# Altium PCB 越野组一体板.PcbDoc
Units mil, origin at the board's own origin, x right, y up, seen from the top; angles counter-clockwise.
Board outline 6000 x 4000 mil, 2 copper layers (Top Layer, Bottom Layer); 131 components, 158 nets, 517 pads, 95 vias.
Unrouted connection lines stored in the file: 177.
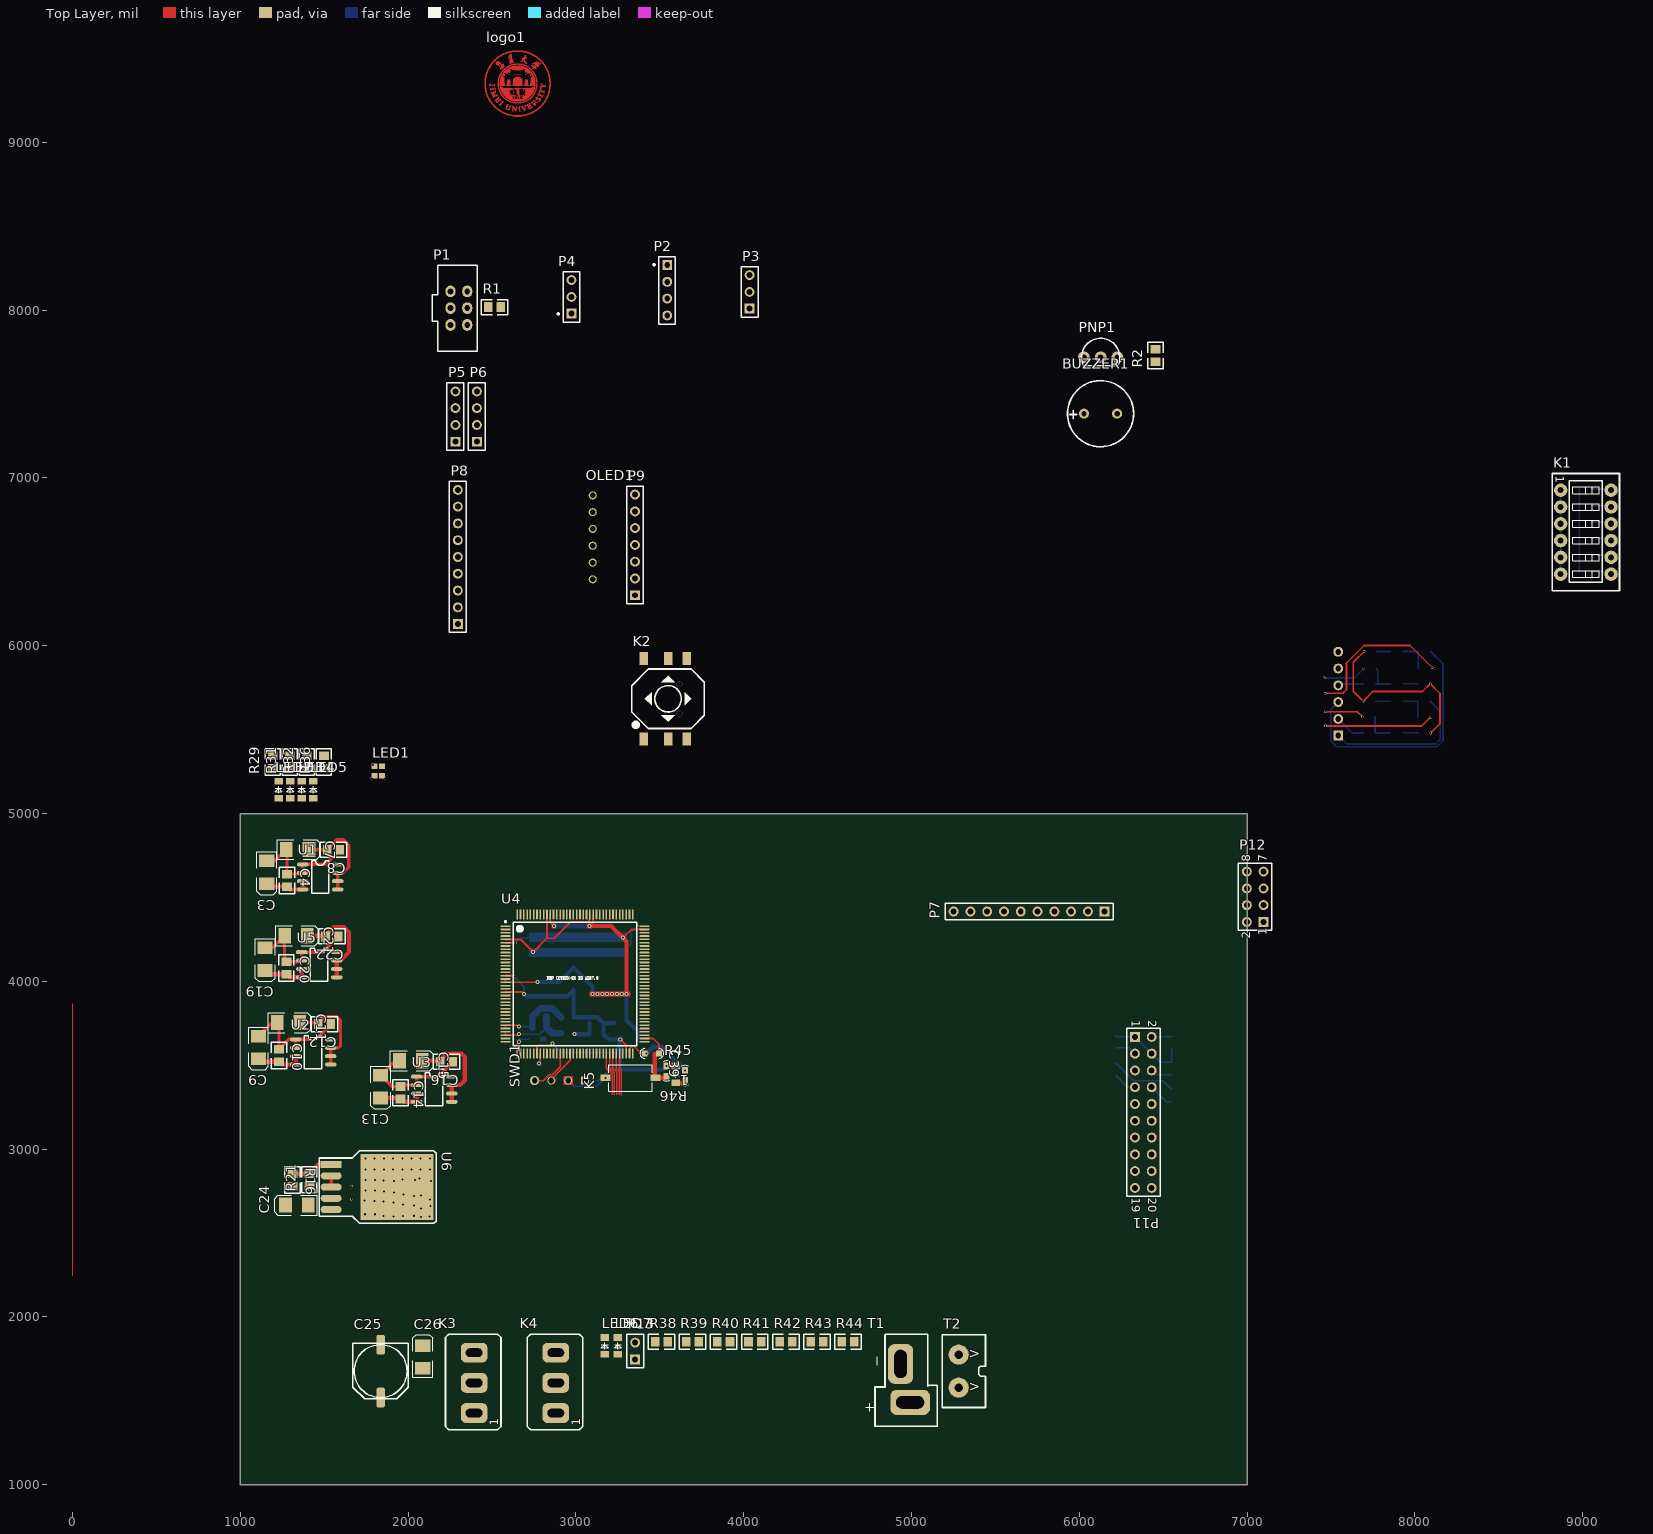
[diagram p0: Top Layer view]
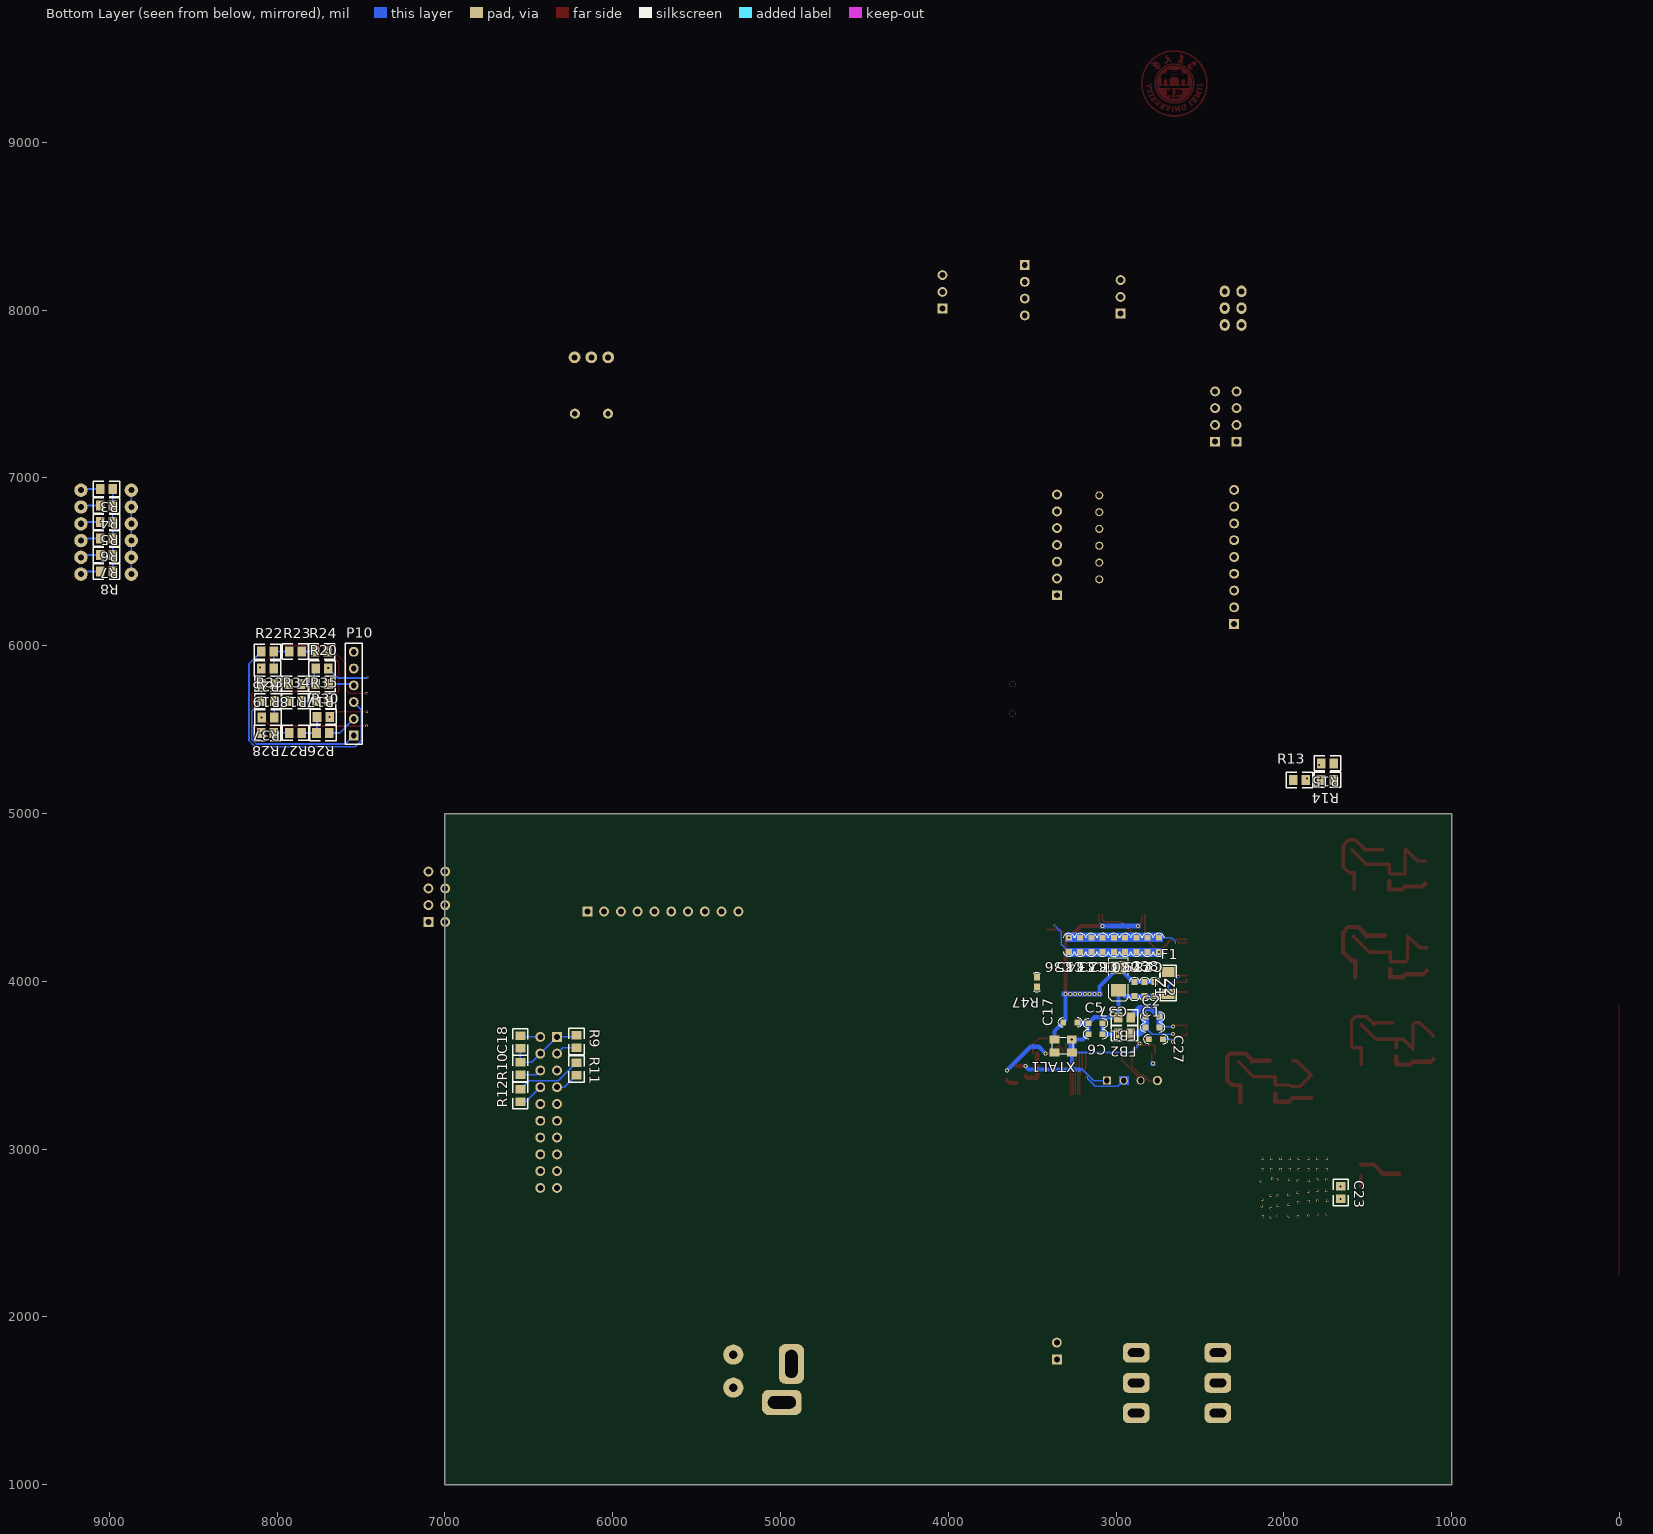
[diagram p1: Bottom Layer view, seen from below]

## Layer stack, top to bottom
Top Layer: signal copper 1.4
Dielectric: dielectric 12.6, FR-4, Dk 4.8
Bottom Layer: signal copper 1.4

## Board outline
1000,1000 7000,1000 7000,5000 1000,5000

## Design rules (kind name [scope] priority, off if disabled: settings)
Clearance poly [InPolygon] p1: gap=20
Clearance [All] p2: gap=6
PolygonConnect [All] p1: connectstyle=Relief reliefconductorwidth=10 reliefentries=4 polygonreliefangle="90 Angle"
RoutingVias [All] p1: holewidth=28 width=50 viastyle="Through Hole" minholewidth=8 minwidth=20 maxholewidth=60 maxwidth=200
SilkscreenOverComponentPads [All] p1: minsilkscreentomaskgap=10
SolderMaskExpansion [All] p1: expansion=4
Width inpoly [InPolygon] p1: maxlimit=10 minlimit=1 preferedwidth=5
Width cam [InNetClass('cam')] p2: maxlimit=10 minlimit=10 preferedwidth=10
Width PWR [InNetClass('PWR')] p3: maxlimit=120 minlimit=20 preferedwidth=30
Width [All] p4: maxlimit=50 minlimit=6 preferedwidth=24
27 further rules are at their usual default settings.

## Components (designator, comment, footprint, x,y, rotation, side; value= is the part's Value field where it differs from the comment)
1 "LED" 0805LED1 3595,3445 r270 top
BUZZER1 "*" Buzzer 6126.57,7383 r0 top
C1 "104" 0805-0C 2825,3725 r180 bottom
C2 "103" 0805-0C 2825,3790 r180 bottom
C3 "pol cap" "pol cap(10uF)" 1157,4650 r270 top
C4 "" 0805 1278,4602 r270 top
C5 "103" 0805-0C 3165,3750 r180 bottom
C6 "104" 0805-0C 3080,3685 r0 bottom
C7 "pol cap" "pol cap(10uF)" 1341.5,4786 r0 top
C8 "Cap" 0805 1554.4,4784 r180 top
C9 "pol cap" "pol cap(10uF)" 1108,3605.5 r270 top
C10 "" 0805 1230,3558 r270 top
C11 "pol cap" "pol cap(10uF)" 1287.5,3754 r0 top
C12 "Cap" 0805 1502.4,3745 r180 top
C13 "pol cap" "pol cap(10uF)" 1836,3372.5 r270 top
C14 "" 0805 1954,3336 r270 top
C15 "pol cap" "pol cap(10uF)" 2016,3527 r0 top
C16 "Cap" 0805 2229.6,3521 r180 top
C17 "104" 0805-0C 3230,3755 r0 bottom
C18 "" 0805 6550,3638.4 r90 bottom
C19 "pol cap" "pol cap(10uF)" 1148,4132 r270 top
C20 "" 0805 1274,4079.4 r270 top
C21 "pol cap" "pol cap(10uF)" 1331,4272 r0 top
C22 "Cap" 0805 1545,4268 r180 top
C23 "" 0805 1661,2741 r270 bottom
C24 "pol cap" "pol cap(10uF)" 1336.5,2666 r180 top
C25 "470UF" ED8 1836,1677 r90 top
C26 "1UF" "pol cap(10uF)" 2087.3,1762 r90 top
C27 "104" 0805-0C 2805,3655 r180 bottom
C28 "104" 0805-0C 2745,4260 r270 bottom
C29 "104" 0805-0C 2812,4260 r270 bottom
C30 "104" 0805-0C 2879,4260 r270 bottom
C31 "104" 0805-0C 2946,4260 r270 bottom
C32 "104" 0805-0C 3013,4260 r270 bottom
C33 "104" 0805-0C 3080,4260 r270 bottom
C34 "104" 0805-0C 3147,4260 r270 bottom
C35 "104" 0805-0C 3214,4260 r270 bottom
C36 "104" 0805-0C 3281,4260 r270 bottom
C37 "22f" 3528-B-TA 2985,4015 r270 bottom
C38 "104" 0805-0C 2890,3911.63 r90 bottom
C39 "106" 0805-0C 3410,3570 r0 top
F1 "Fuse(300ma)" 1206R 2688,3930.55 r90 bottom
FB1 "100MHz/0R" 0805 2950,3785 r0 bottom
FB2 "100MHz/0R" 0805 2950,3690 r0 bottom
K1 "*" 拨码开关*6 9018.8,6677 r0 top
K2 "*" 摇杆开关 3778,5448.84 r90 top
K3 "KEY" 钮子开关（大） 2392.91,1607 r90 top
K4 "KEY" 钮子开关（大） 2879.84,1607 r90 top
K5 "RESET" SW_PB2_A1 3325,3425 r180 top
LED1 "RLed" Rled 1845,5226 r90 top
LED2 "LED" LED(0805) 1228,5142 r90 top
LED3 "LED" LED(0805) 1297,5142 r90 top
LED4 "LED" LED(0805) 1366,5142 r90 top
LED5 "LED" LED(0805) 1435,5142 r90 top
LED6 "LED" LED(0805) 3172.17,1827 r90 top
LED7 "LED" LED(0805) 3250.17,1827 r90 top
logo1 "LOGO(JMU)" JMU_logo（1） 2653,9352 r0 top
OLED1 "OLED" S0P6 3100.03,6396 r90 top
P1 "*" 编码器 2252.22,8112 r0 top
P2 "BlueTooth" 插针——4 3588,7932 r90 top
P3 "电机" HDR1X3 4035,8009 r90 top
P4 "Pin-3" HDR_1X3 2973,7979 r90 top
P5 "激光1" HDR1X4 2281.51,7216 r90 top
P6 "激光2" HDR1X4 2409.39,7216 r90 top
P7 "多余IO" HDR1X10 6151,4416 r180 top
P8 "AD" HDR1X9 2295.97,6129 r90 top
P9 "TFT" HDR1X7 3351.84,6301 r90 top
P10 "遥控" HDR1X6 7543,5464 r90 bottom
P11 "CSI" HDR2X10 6331.35,3669 r270 top
P12 "Header 4X2" HDR2X4 7098,4354 r90 top
P13 "Header 2" HDR1X2 3353.11,1747 r90 top
PNP1 "PNP" PNP 6127,7719 r0 top
R1 "10k" 0805 2515.6,8018 r0 top
R2 "1K" 0805 6454,7730.6 r90 top
R3 "10K" 0805 9016.6,6934 r0 bottom
R4 "10K" 0805 9016.6,6835.8 r0 bottom
R5 "10K" 0805 9016.6,6737.6 r0 bottom
R6 "10K" 0805 9016.6,6639.4 r0 bottom
R7 "10K" 0805 9016.6,6541.2 r0 bottom
R8 "10K" 0805 9016.6,6443 r0 bottom
R9 "150" 0805 6216,3641 r270 bottom
R10 "150" 0805 6550,3481 r90 bottom
R11 "4.7K" 0805 6216,3478.6 r270 bottom
R12 "4.7K" 0805 6550,3319.4 r90 bottom
R13 "1K" 0805 1906.4,5200 r180 bottom
R14 "1K" 0805 1741,5201 r0 bottom
R15 "1K" 0805 1740.4,5299 r0 bottom
R16 "3.9K" 0805 1311,2816 r270 top
R17 "1K" 0805 7731,5772 r0 bottom
R18 "1K" 0805 7893.6,5773 r0 bottom
R19 "1K" 0805 8054,5773 r0 bottom
R20 "1K" 0805 7731.4,5864 r180 bottom
R21 "1K" 0805 1411,2817.6 r90 top
R22 "1K" 0805 8056.6,5965 r180 bottom
R23 "1K" 0805 7891,5966 r180 bottom
R24 "1K" 0805 7734.6,5966 r180 bottom
R25 "1K" 0805 8057,5864 r0 bottom
R26 "1K" 0805 7727.4,5480 r0 bottom
R27 "1K" 0805 7890.6,5481 r0 bottom
R28 "1K" 0805 8056,5480 r0 bottom
R29 "4.7K" 0805 1193,5307 r90 top
R30 "1K" 0805 7724.6,5576 r180 bottom
R31 "1K" 0805 1294.43,5307 r90 top
R32 "4.7K" 0805 1395.85,5307 r90 top
R33 "1K" 0805 8053.4,5670 r180 bottom
R34 "1K" 0805 7892.6,5670 r180 bottom
R35 "1K" 0805 7728.6,5670 r180 bottom
R36 "4.7K" 0805 1497.28,5307 r90 top
R37 "1K" 0805 8054,5572 r0 bottom
R38 "5K" 0805 3509.72,1852 r0 top
R39 "4.7K" 0805 3695.08,1852 r0 top
R40 "5K" 0805 3880.43,1852 r0 top
R41 "1K" 0805 4065.78,1852 r0 top
R42 "0R" 0805 4251.14,1852 r0 top
R43 "0R" 0805 4436.49,1852 r0 top
R44 "1K" 0805 4621.85,1852 r0 top
R45 "4.7K" 0603-r 3540,3465 r90 top
R46 "1K" 0603-r 3650,3440 r270 top
R47 "0" 0603-r 3472,3996 r270 bottom
SWD1 "SWD-1" S0P4 3054.39,3409 r180 top
T1 "*" T型接头 4941.49,1587 r90 top
T2 "*" 接线端子 5281.02,1677 r90 top
U1 "TPS7350" SOIC-8 1476,4622 r0 top
U2 "TPS7333" SOIC-8 1434,3579 r0 top
U3 "TPS7333" SOIC-8 2155.33,3357 r0 top
U4 "K60P144" LQFP144 2580,4329.06 r0 top
U5 "TPS7350" SOIC-8 1470,4099 r0 top
U6 "U1" LM2941 1737,2774 r270 top
XTAL1 "50M" XTAL-3225 3315,3615 r270 bottom
Z1 "Zener" 0805-0C 2830,3996.63 r270 bottom
Z2 "稳压二极管" 0805-0C 2770,3996.63 r270 bottom

## Footprints (in the part's own frame and the unit in brackets; to place one, negate y for a bottom-side part, rotate by r counter-clockwise, add the part's x,y. Pads: shape width x height; smd on the part's side, far side on the other; paste and mask are expansions set on the pad)
0603-r [mil]
  rect 40x35 smd: 1(-30,0) 2(30,0)
  silkscreen extent -59,-20 61,20, body extent -33,-16 33,16, height 22
0805 [mm]
  rect 1.3x1.5 smd: 1(-0.95,0) 2(0.95,0)
  silkscreen extent -2,-1.15 2,1.15, body extent -1,-0.63 1,0.63, height 0.55
0805-0C [mil]
  rect 35x35 smd: 1(0,0) 2(85,0)
  silkscreen extent -28,-30 113,30, body extent 3,-25 82,25, height 30
0805LED1 [mil]
  rect 40x50 smd: 1(-50,0) 2(50,0)
  silkscreen extent -20,-20 20,20, body extent -37,-24 43,25, height 43
1206R [mil]
  rect 59.06x75 smd: 1(-6,2) 2(124,2)
  silkscreen extent -46,-46 166,50, body extent -8,-32 124,36, height 33
3528-B-TA [mil]
  rect 75x90 smd: 1(67.5,0) 2(-67.5,0)
  silkscreen extent -121,-59 132,59, body extent -69,-55 69,55, height 75
Buzzer [mil]
  round 60 hole 32 mask+0: 1(-98.43,0) 2(98.43,0)
  silkscreen extent -197,-197 197,197, body extent -240,-236 233,236, height 354
ED8 [mm]
  rrect50% 3x1.3 smd: 1(-4,0) 2(4,0)
  silkscreen extent -4.2,-4.2 4.2,4.2, body extent -4.52,-4.22 4.48,4.08, height 10.5
HDR1X2 [mm] "Connecto"
  rect 1.5x1.5 hole 0.9: 1(0,0)
  round 1.5 hole 0.9: 2(2.54,0)
  silkscreen extent -1.27,-1.27 3.81,1.27
HDR1X3 [mm] "Connecto"
  rect 1.5x1.5 hole 0.9: 1(0,0)
  round 1.5 hole 0.9: 2(2.54,0) 3(5.08,0)
  silkscreen extent -1.27,-1.27 6.35,1.27
HDR1X4 [mm] "Connecto"
  rect 1.5x1.5 hole 0.9: 1(0,0)
  round 1.5 hole 0.9: 2(2.54,0) 3(5.08,0) 4(7.62,0)
  silkscreen extent -1.27,-1.27 8.89,1.27
HDR1X6 [mm] "Connecto"
  rect 1.5x1.5 hole 0.9: 1(0,0)
  round 1.5 hole 0.9: 2(2.54,0) 3(5.08,0) 4(7.62,0) 5(10.16,0) 6(12.7,0)
  silkscreen extent -1.27,-1.27 13.97,1.27
HDR1X7 [mm] "Connecto"
  rect 1.5x1.5 hole 0.9: 1(0,0)
  round 1.5 hole 0.9: 2(2.54,0) 3(5.08,0) 4(7.62,0) 5(10.16,0) 6(12.7,0) 7(15.24,0)
  silkscreen extent -1.27,-1.27 16.51,1.27
HDR1X9 [mm] "Connecto"
  rect 1.5x1.5 hole 0.9: 1(0,0)
  round 1.5 hole 0.9: 2(2.54,0) 3(5.08,0) 4(7.62,0) 5(10.16,0) 6(12.7,0) 7(15.24,0) 8(17.78,0) 9(20.32,0)
  silkscreen extent -1.27,-1.27 21.59,1.27
HDR1X10 [mm] "Connector;"
  rect 1.5x1.5 hole 0.9: 1(0,0)
  round 1.5 hole 0.9: 2(2.54,0) 3(5.08,0) 4(7.62,0) 5(10.16,0) 6(12.7,0) 7(15.24,0) 8(17.78,0) 9(20.32,0) 10(22.86,0)
  silkscreen extent -1.27,-1.27 24.13,1.27
HDR2X4 [mm] "Connector;"
  rect 1.5x1.5 hole 0.9: 1(0,0)
  round 1.5 hole 0.9: 2(0,2.54) 3(2.54,0) 4(2.54,2.54) 5(5.08,0) 6(5.08,2.54) 7(7.62,0) 8(7.62,2.54)
  silkscreen extent -1.27,-1.27 8.89,3.81
HDR2X10 [mm] "Connector; H"
  rect 1.5x1.5 hole 0.9: 1(0,0)
  round 1.5 hole 0.9: 2(0,2.54) 3(2.54,0) 4(2.54,2.54) 5(5.08,0) 6(5.08,2.54) 7(7.62,0) 8(7.62,2.54) 9(10.16,0) 10(10.16,2.54) 11(12.7,0) 12(12.7,2.54) 13(15.24,0) 14(15.24,2.54) 15(17.78,0) 16(17.78,2.54) 17(20.32,0) 18(20.32,2.54) 19(22.86,0) 20(22.86,2.54)
  silkscreen extent -1.27,-1.27 24.13,3.81
HDR_1X3 [mm]
  rect 1.5x1.5 hole 0.9: 1(0,0)
  round 1.5 hole 0.9: 2(2.54,0) 3(5.08,0)
  silkscreen extent -1.27,-1.27 6.35,2.14, body extent -1.27,-1.27 6.35,1.27, height 8.54
JMU_logo（1） [mil]
  Top Layer region: 16.8,-52.9 15.8,-52.9 15.8,-51.9 16.8,-51.9
  Top Layer region: 35.8,-46.9 34.8,-46.9 34.8,-47.9 32.8,-47.9 32.8,-44.9 35.8,-44.9
  Top Layer region: -34.2,-65.9 -35.2,-65.9 -35.2,-66.9 -38.2,-66.9 -38.2,-64.9 -36.2,-64.9 -36.2,-63.9 -34.2,-63.9
  Top Layer region: -24.2,-52.9 -23.2,-52.9 -23.2,-53.9 -22.2,-53.9 -22.2,-54.9 -23.2,-54.9 -23.2,-55.9 -24.2,-55.9 -24.2,-56.9 -25.2,-56.9 -25.2,-51.9 -24.2,-51.9
  Top Layer region: -21.2,-62.9 -22.2,-62.9 -22.2,-63.9 -23.2,-63.9 -23.2,-64.9 -25.2,-64.9 -25.2,-63.9 -26.2,-63.9 -26.2,-61.9 -23.2,-61.9 -23.2,-60.9 -21.2,-60.9
  Top Layer region: -95.2,90.1 -93.2,90.1 -93.2,85.1 -94.2,85.1 -94.2,84.1 -96.2,84.1 -96.2,85.1 -97.2,85.1 -97.2,86.1 -98.2,86.1 -98.2,91.1 -95.2,91.1
  Top Layer region: -81.2,102.1 -80.2,102.1 -80.2,101.1 -81.2,101.1 -81.2,99.1 -82.2,99.1 -82.2,98.1 -84.2,98.1 -84.2,97.1 -85.2,97.1 -85.2,96.1 -87.2,96.1 -87.2,97.1 -86.2,97.1 -86.2,99.1 -87.2,99.1 -87.2,98.1 -89.2,98.1 -89.2,100.1 -88.2,100.1 -88.2,101.1 -87.2,101.1 -87.2,102.1 -86.2,102.1 -86.2,103.1 -84.2,103.1 -84.2,104.1 -81.2,104.1
  Top Layer region: -32.2,130.1 -29.2,130.1 -29.2,129.1 -26.2,129.1 -26.2,128.1 -24.2,128.1 -24.2,127.1 -23.2,127.1 -23.2,124.1 -24.2,124.1 -24.2,123.1 -28.2,123.1 -28.2,124.1 -29.2,124.1 -29.2,126.1 -31.2,126.1 -31.2,127.1 -33.2,127.1 -33.2,128.1 -34.2,128.1 -34.2,130.1 -33.2,130.1 -33.2,131.1 -32.2,131.1
  Top Layer region: 113.8,129.1 114.8,129.1 114.8,127.1 113.8,127.1 113.8,126.1 112.8,126.1 112.8,125.1 111.8,125.1 111.8,123.1 110.8,123.1 110.8,122.1 109.8,122.1 109.8,121.1 107.8,121.1 107.8,120.1 105.8,120.1 105.8,121.1 104.8,121.1 104.8,124.1 105.8,124.1 105.8,126.1 106.8,126.1 106.8,127.1 107.8,127.1 107.8,128.1 108.8,128.1 108.8,129.1 109.8,129.1 109.8,131.1 113.8,131.1
  Top Layer region: 15.8,-140.9 12.8,-140.9 12.8,-141.9 11.8,-141.9 11.8,-149.9 12.8,-149.9 12.8,-163.9 13.8,-163.9 13.8,-165.9 17.8,-165.9 17.8,-166.9 16.8,-166.9 16.8,-167.9 3.8,-167.9 3.8,-166.9 4.8,-166.9 4.8,-165.9 7.8,-165.9 7.8,-155.9 6.8,-155.9 6.8,-141.9 4.8,-141.9 4.8,-140.9 2.8,-140.9 2.8,-138.9 15.8,-138.9
  Top Layer region: -92.2,-104.9 -91.2,-104.9 -91.2,-105.9 -90.2,-105.9 -90.2,-106.9 -89.2,-106.9 -89.2,-107.9 -88.2,-107.9 -88.2,-108.9 -86.2,-108.9 -86.2,-109.9 -85.2,-109.9 -85.2,-110.9 -84.2,-110.9 -84.2,-111.9 -83.2,-111.9 -83.2,-113.9 -85.2,-113.9 -85.2,-112.9 -88.2,-112.9 -88.2,-113.9 -89.2,-113.9 -89.2,-114.9 -90.2,-114.9 -90.2,-115.9 -91.2,-115.9 -91.2,-116.9 -92.2,-116.9 -92.2,-118.9 -93.2,-118.9 -93.2,-119.9 -94.2,-119.9 -94.2,-120.9 -95.2,-120.9 -95.2,-121.9 -96.2,-121.9 -96.2,-122.9 -97.2,-122.9 -97.2,-124.9 -98.2,-124.9 -98.2,-125.9 -99.2,-125.9 -99.2,-126.9 -100.2,-126.9 -100.2,-127.9 -101.2,-127.9 -101.2,-129.9 -102.2,-129.9 -102.2,-131.9 -101.2,-131.9 -101.2,-132.9 -100.2,-132.9 -100.2,-133.9 -101.2,-133.9 -101.2,-134.9 -102.2,-134.9 -102.2,-133.9 -103.2,-133.9 -103.2,-132.9 -104.2,-132.9 -104.2,-131.9 -105.2,-131.9 -105.2,-130.9 -107.2,-130.9 -107.2,-129.9 -108.2,-129.9 -108.2,-128.9 -109.2,-128.9 -109.2,-127.9 -110.2,-127.9 -110.2,-126.9 -111.2,-126.9 -111.2,-125.9 -108.2,-125.9 -108.2,-126.9 -106.2,-126.9 -106.2,-125.9 -105.2,-125.9 -105.2,-124.9 -104.2,-124.9 -104.2,-123.9 -103.2,-123.9 -103.2,-121.9 -102.2,-121.9 -102.2,-120.9 -101.2,-120.9 -101.2,-119.9 -100.2,-119.9 -100.2,-118.9 -99.2,-118.9 -99.2,-116.9 -98.2,-116.9 -98.2,-115.9 -97.2,-115.9 -97.2,-114.9 -96.2,-114.9 -96.2,-113.9 -95.2,-113.9 -95.2,-112.9 -94.2,-112.9 -94.2,-110.9 -93.2,-110.9 -93.2,-109.9 -92.2,-109.9 -92.2,-106.9 -93.2,-106.9 -93.2,-105.9 -94.2,-105.9 -94.2,-104.9 -93.2,-104.9 -93.2,-103.9 -92.2,-103.9
  Top Layer region: -136.2,-28.9 -135.2,-28.9 -135.2,-33.9 -134.2,-33.9 -134.2,-37.9 -136.2,-37.9 -136.2,-35.9 -137.2,-35.9 -137.2,-34.9 -142.2,-34.9 -142.2,-35.9 -147.2,-35.9 -147.2,-36.9 -152.2,-36.9 -152.2,-37.9 -157.2,-37.9 -157.2,-38.9 -160.2,-38.9 -160.2,-39.9 -161.2,-39.9 -161.2,-43.9 -162.2,-43.9 -162.2,-42.9 -163.2,-42.9 -163.2,-37.9 -164.2,-37.9 -164.2,-32.9 -165.2,-32.9 -165.2,-30.9 -164.2,-30.9 -164.2,-29.9 -163.2,-29.9 -163.2,-31.9 -162.2,-31.9 -162.2,-32.9 -161.2,-32.9 -161.2,-33.9 -160.2,-33.9 -160.2,-32.9 -154.2,-32.9 -154.2,-31.9 -150.2,-31.9 -150.2,-30.9 -144.2,-30.9 -144.2,-29.9 -140.2,-29.9 -140.2,-28.9 -138.2,-28.9 -138.2,-24.9 -136.2,-24.9
  Top Layer region: 125.8,-59.9 126.8,-59.9 126.8,-60.9 125.8,-60.9 125.8,-63.9 126.8,-63.9 126.8,-64.9 128.8,-64.9 128.8,-65.9 130.8,-65.9 130.8,-66.9 132.8,-66.9 132.8,-67.9 134.8,-67.9 134.8,-68.9 136.8,-68.9 136.8,-69.9 138.8,-69.9 138.8,-70.9 140.8,-70.9 140.8,-71.9 142.8,-71.9 142.8,-72.9 144.8,-72.9 144.8,-73.9 147.8,-73.9 147.8,-72.9 148.8,-72.9 148.8,-71.9 150.8,-71.9 150.8,-72.9 149.8,-72.9 149.8,-74.9 148.8,-74.9 148.8,-77.9 147.8,-77.9 147.8,-79.9 146.8,-79.9 146.8,-81.9 145.8,-81.9 145.8,-83.9 143.8,-83.9 143.8,-78.9 142.8,-78.9 142.8,-77.9 140.8,-77.9 140.8,-76.9 137.8,-76.9 137.8,-75.9 136.8,-75.9 136.8,-74.9 134.8,-74.9 134.8,-73.9 132.8,-73.9 132.8,-72.9 130.8,-72.9 130.8,-71.9 128.8,-71.9 128.8,-70.9 126.8,-70.9 126.8,-69.9 124.8,-69.9 124.8,-68.9 122.8,-68.9 122.8,-69.9 121.8,-69.9 121.8,-70.9 120.8,-70.9 120.8,-71.9 119.8,-71.9 119.8,-70.9 118.8,-70.9 118.8,-69.9 119.8,-69.9 119.8,-67.9 120.8,-67.9 120.8,-65.9 121.8,-65.9 121.8,-63.9 122.8,-63.9 122.8,-61.9 123.8,-61.9 123.8,-59.9 124.8,-59.9 124.8,-58.9 125.8,-58.9
  Top Layer region: -162.2,-4.9 -161.2,-4.9 -161.2,-6.9 -162.2,-6.9 -162.2,-7.9 -163.2,-7.9 -163.2,-8.9 -165.2,-8.9 -165.2,-10.9 -154.2,-10.9 -154.2,-9.9 -142.2,-9.9 -142.2,-8.9 -140.2,-8.9 -140.2,-4.9 -138.2,-4.9 -138.2,-11.9 -137.2,-11.9 -137.2,-17.9 -138.2,-17.9 -138.2,-18.9 -139.2,-18.9 -139.2,-15.9 -140.2,-15.9 -140.2,-14.9 -150.2,-14.9 -150.2,-15.9 -164.2,-15.9 -164.2,-14.9 -165.2,-14.9 -165.2,-13.9 -166.2,-13.9 -166.2,-12.9 -167.2,-12.9 -167.2,-10.9 -168.2,-10.9 -168.2,-6.9 -167.2,-6.9 -167.2,-4.9 -166.2,-4.9 -166.2,-3.9 -162.2,-3.9
  Top Layer region: 136.8,-32.9 139.8,-32.9 139.8,-33.9 141.8,-33.9 141.8,-35.9 135.8,-35.9 135.8,-37.9 134.8,-37.9 134.8,-39.9 133.8,-39.9 133.8,-41.9 134.8,-41.9 134.8,-42.9 137.8,-42.9 137.8,-43.9 140.8,-43.9 140.8,-44.9 144.8,-44.9 144.8,-45.9 147.8,-45.9 147.8,-46.9 150.8,-46.9 150.8,-47.9 153.8,-47.9 153.8,-48.9 156.8,-48.9 156.8,-47.9 157.8,-47.9 157.8,-45.9 159.8,-45.9 159.8,-48.9 158.8,-48.9 158.8,-51.9 157.8,-51.9 157.8,-55.9 156.8,-55.9 156.8,-58.9 154.8,-58.9 154.8,-54.9 153.8,-54.9 153.8,-53.9 151.8,-53.9 151.8,-52.9 148.8,-52.9 148.8,-51.9 145.8,-51.9 145.8,-50.9 142.8,-50.9 142.8,-49.9 138.8,-49.9 138.8,-48.9 135.8,-48.9 135.8,-47.9 132.8,-47.9 132.8,-46.9 131.8,-46.9 131.8,-49.9 130.8,-49.9 130.8,-53.9 131.8,-53.9 131.8,-55.9 133.8,-55.9 133.8,-56.9 134.8,-56.9 134.8,-57.9 130.8,-57.9 130.8,-56.9 127.8,-56.9 127.8,-55.9 126.8,-55.9 126.8,-53.9 127.8,-53.9 127.8,-49.9 128.8,-49.9 128.8,-46.9 129.8,-46.9 129.8,-43.9 130.8,-43.9 130.8,-40.9 131.8,-40.9 131.8,-37.9 132.8,-37.9 132.8,-33.9 133.8,-33.9 133.8,-31.9 136.8,-31.9
  Top Layer region: 48.8,-132.9 47.8,-132.9 47.8,-133.9 46.8,-133.9 46.8,-137.9 45.8,-137.9 45.8,-143.9 44.8,-143.9 44.8,-149.9 43.8,-149.9 43.8,-154.9 42.8,-154.9 42.8,-155.9 43.8,-155.9 43.8,-156.9 42.8,-156.9 42.8,-161.9 41.8,-161.9 41.8,-163.9 40.8,-163.9 40.8,-162.9 39.8,-162.9 39.8,-161.9 38.8,-161.9 38.8,-160.9 37.8,-160.9 37.8,-159.9 36.8,-159.9 36.8,-157.9 35.8,-157.9 35.8,-156.9 34.8,-156.9 34.8,-155.9 33.8,-155.9 33.8,-153.9 32.8,-153.9 32.8,-152.9 31.8,-152.9 31.8,-151.9 30.8,-151.9 30.8,-149.9 29.8,-149.9 29.8,-148.9 28.8,-148.9 28.8,-146.9 27.8,-146.9 27.8,-145.9 26.8,-145.9 26.8,-144.9 25.8,-144.9 25.8,-142.9 24.8,-142.9 24.8,-141.9 23.8,-141.9 23.8,-140.9 22.8,-140.9 22.8,-139.9 19.8,-139.9 19.8,-137.9 22.8,-137.9 22.8,-136.9 26.8,-136.9 26.8,-135.9 30.8,-135.9 30.8,-134.9 31.8,-134.9 31.8,-137.9 28.8,-137.9 28.8,-138.9 29.8,-138.9 29.8,-140.9 30.8,-140.9 30.8,-142.9 31.8,-142.9 31.8,-143.9 32.8,-143.9 32.8,-144.9 33.8,-144.9 33.8,-146.9 34.8,-146.9 34.8,-147.9 35.8,-147.9 35.8,-148.9 36.8,-148.9 36.8,-150.9 37.8,-150.9 37.8,-151.9 38.8,-151.9 38.8,-152.9 39.8,-152.9 39.8,-153.9 40.8,-153.9 40.8,-148.9 41.8,-148.9 41.8,-143.9 42.8,-143.9 42.8,-136.9 43.8,-136.9 43.8,-134.9 39.8,-134.9 39.8,-132.9 42.8,-132.9 42.8,-131.9 47.8,-131.9 47.8,-130.9 48.8,-130.9